# Altium PCB Kasli-DIOT.PCBDOC (part 17 of 21)
Units mm, origin at the board's own origin, x right, y up, seen from the top; angles counter-clockwise.
Board outline 222.34 x 100 mm, 10 copper layers (TopLayer, Layer 2, Layer 3, Layer 4, Layer 5, Layer 6, Layer 7, layer 8, Layer 9, BottomLayer), stack 1.564 mm thick; 974 components, 908 nets, 4662 pads, 2649 vias.
Unrouted connection lines stored in the file: 17.
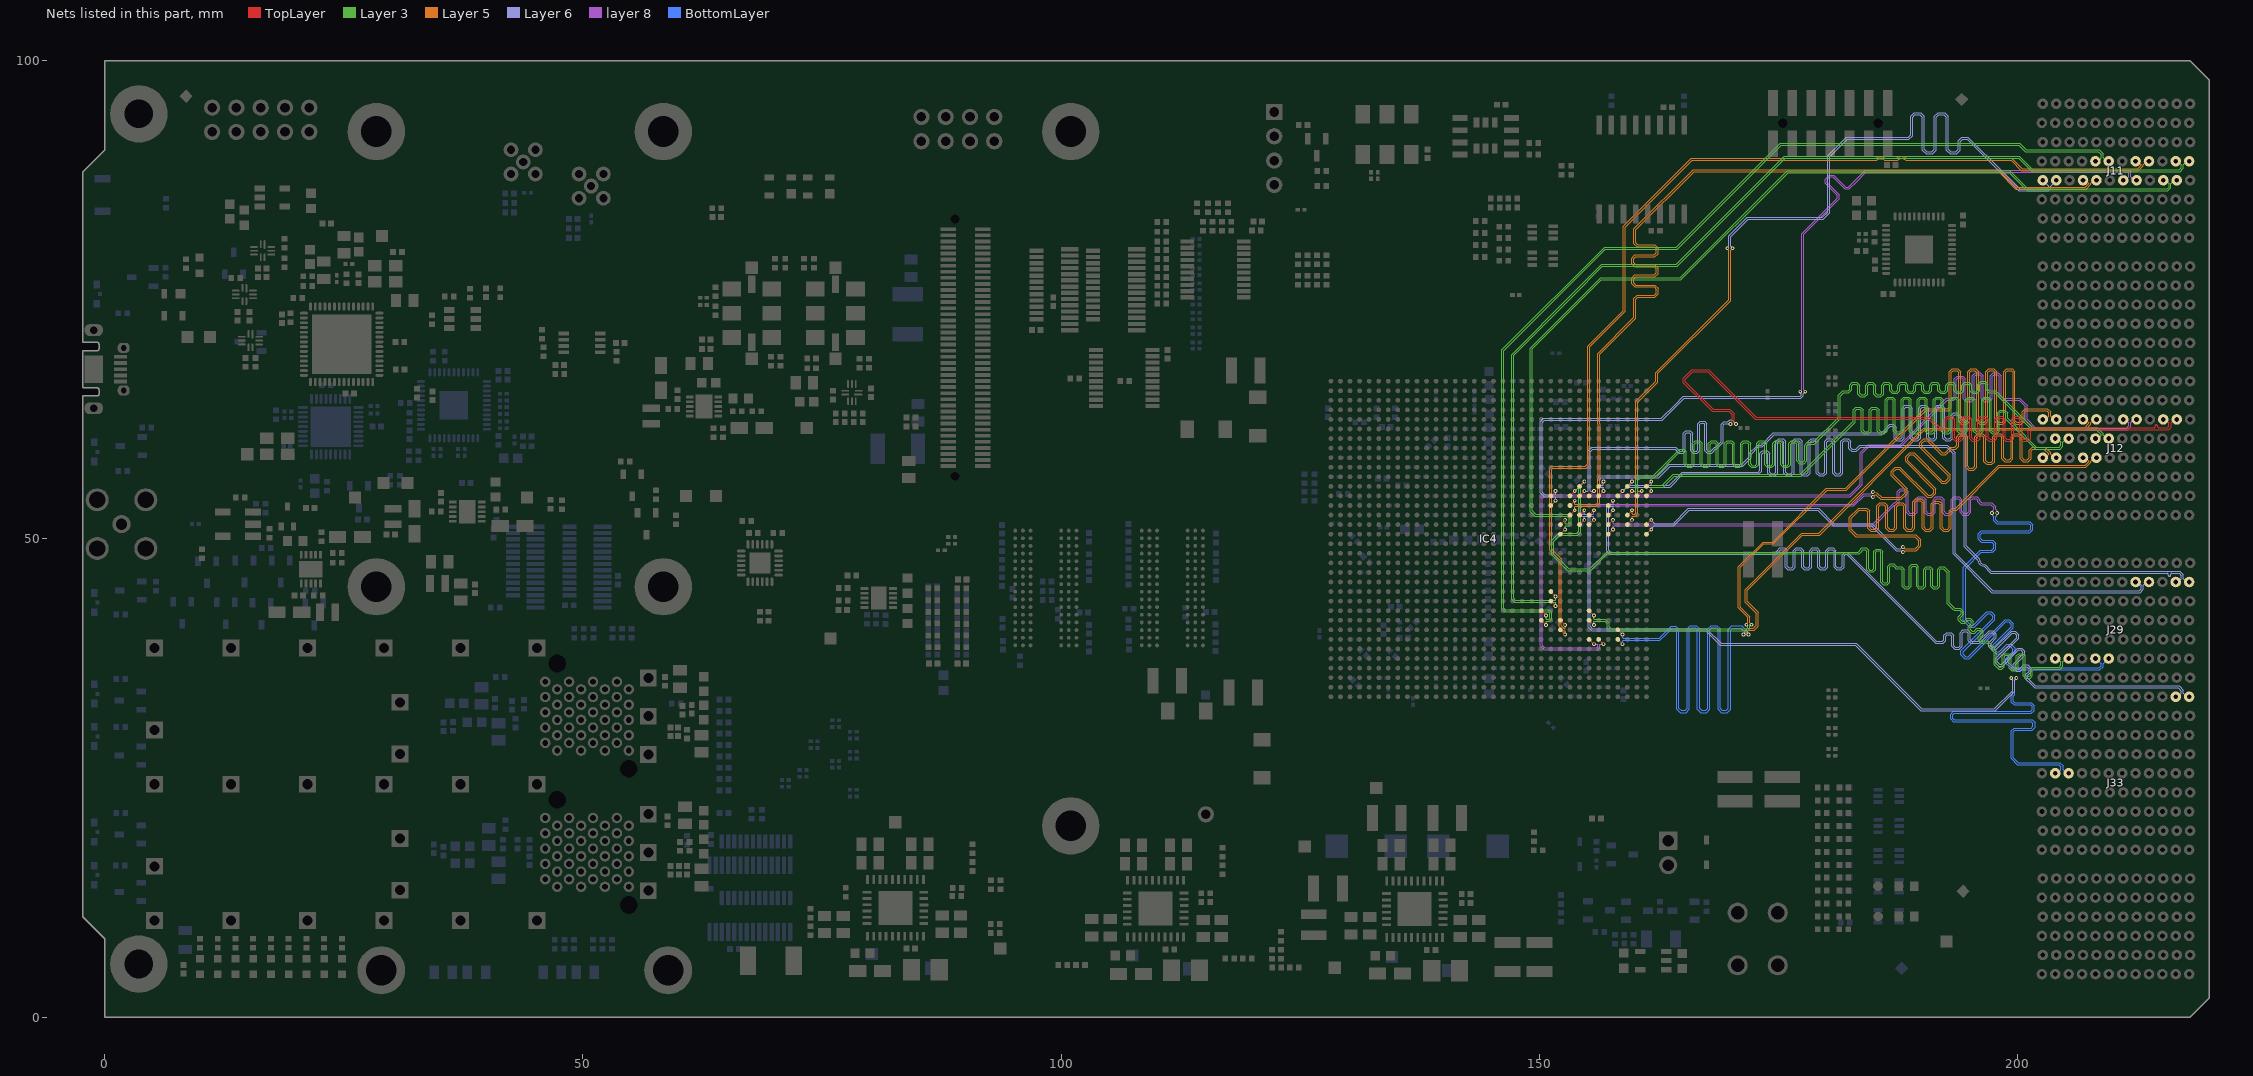
[diagram p25: the nets of this part, all layers, seen from the top]

## Via types
v1: diameter 0.4, hole 0.2, TopLayer to BottomLayer, tented both sides, 1661 vias
v2: diameter 0.5, hole 0.2, TopLayer to BottomLayer, tented both sides, 516 vias
v3: diameter 0.6, hole 0.3, TopLayer to BottomLayer, tented both sides, 175 vias
v4: diameter 0.6, hole 0.3, TopLayer to BottomLayer, 113 vias
v5: diameter 0.5, hole 0.2, TopLayer to BottomLayer, 110 vias
v6: diameter 0.4, hole 0.2, TopLayer to BottomLayer, 67 vias
v7: diameter 0.8, hole 0.5, TopLayer to BottomLayer, tented both sides, 7 vias

## Nets (pads, with @x,y where several pads share a name; then routed paths per layer and width w, separated by ;. In a path a pad name is that pad's centre, name@x,y a point inside that pad or via, vN(x,y) a via of type N, cw(c..) or ccw(c..) an arc to the next point about the centre after c; other vN are vias at no path point) (continued)
SLOT4.LVDS_9_N: IC4.T34 J12.I4 | length 94.1
  TopLayer w0.095: IC4.T34@161.2,51.5 v1(161.7,52)
  Layer 5 w0.08: v1(188,49.16) 188.04,49.16 188.2,49 189.307,49 189.658,49.35 189.658,49.836 189.247,50.247 183.087,50.247 182.413,50.921 182.413,52.261 183.384,53.232 183.925,53.232 184.219,53.232 184.526,52.925 184.526,51.21 184.711,51.024 185.082,51.024 185.268,51.21 185.268,53.46 185.574,53.767 186.117,53.767 186.424,53.46 186.424,51.21 186.609,51.024 186.98,51.024 187.166,51.21 187.166,53.46 187.472,53.767 188.015,53.767 188.322,53.46 188.322,51.21 188.507,51.024 188.878,51.024 189.064,51.21 189.064,53.914 189.37,54.221 189.913,54.221 190.22,53.914 190.22,51.21 190.405,51.024 190.776,51.024 190.962,51.21 190.962,53.656 191.268,53.963 191.811,53.963 192.118,53.656 192.118,51.21 192.303,51.024 192.674,51.024 192.86,51.21 192.86,52.925 193.166,53.232 193.353,53.232 193.539,53.232 198.016,57.709 207.061,57.709 207.435,58.083 207.435,58.149 207.084,58.5 J12.I4@206.839,58.5
  Layer 6 w0.08: v1(161.7,52) 161.7,51.913 161.881,51.733 161.881,51.726 162,51.607 163.978,51.607 165.578,53.207 179.194,53.207 180.794,51.607 184.778,51.607 187.385,49 187.793,49 187.953,49.16 v1(188,49.16)
SLOT4.LVDS_9_P: IC4.U34 J12.H4 | length 94.5
  TopLayer w0.095: IC4.U34@161.2,50.5 v1(161.7,51)
  Layer 5 w0.08: v1(188,48.633) 188.04,48.633 188.2,48.793 189.393,48.793 189.865,49.265 189.865,49.921 189.332,50.454 183.173,50.454 182.62,51.007 182.62,52.175 183.469,53.025 183.925,53.025 184.133,53.025 184.319,52.84 184.319,51.124 184.625,50.817 185.168,50.817 185.475,51.124 185.475,53.375 185.66,53.56 186.031,53.56 186.217,53.375 186.217,51.124 186.523,50.817 187.066,50.817 187.373,51.124 187.373,53.375 187.558,53.56 187.929,53.56 188.115,53.375 188.115,51.124 188.421,50.817 188.964,50.817 189.271,51.124 189.271,53.828 189.456,54.014 189.827,54.014 190.013,53.828 190.013,51.124 190.319,50.817 190.862,50.817 191.169,51.124 191.169,53.57 191.354,53.756 191.725,53.756 191.911,53.57 191.911,51.124 192.217,50.817 192.76,50.817 193.067,51.124 193.067,52.84 193.252,53.025 193.353,53.025 193.625,53.025 198.102,57.502 207.147,57.502 207.642,57.997 207.642,58.149 207.993,58.5 J12.H4@208.239,58.5
  Layer 6 w0.08: v1(161.7,51) 161.7,51.087 161.881,51.267 161.881,51.281 162,51.4 164.064,51.4 165.664,53 179.108,53 180.708,51.4 184.693,51.4 187.3,48.793 187.793,48.793 187.953,48.633 v1(188,48.633)
SLOT4.LVDS_10_N: IC4.R28 J12.L4 | length 99.9
  TopLayer w0.095: IC4.R28@155.2,52.5 v1(155.7,53)
  Layer 5 w0.08: v1(184.863,54.395) 185.113,54.625 185.179,54.625 185.71,54.147 187.847,54.147 188.347,54.647 188.479,54.779 188.479,55.248 187.008,56.718 187.008,57.016 187.306,57.314 187.604,57.314 190.575,54.342 191.044,54.342 191.463,54.761 191.463,55.231 188.492,58.202 188.492,58.499 188.789,58.797 189.087,58.797 192.058,55.826 192.527,55.826 192.946,56.245 192.946,56.714 189.975,59.685 189.975,59.983 190.273,60.281 190.571,60.281 192.041,58.81 192.51,58.81 193.1,59.4 193.331,59.4 193.518,59.4 193.824,59.707 193.824,60.621 194.01,60.806 194.381,60.806 194.566,60.621 194.566,57.499 194.873,57.192 195.416,57.192 195.722,57.499 195.722,60.621 195.908,60.806 196.279,60.806 196.464,60.621 196.464,58.097 196.771,57.79 197.314,57.79 197.62,58.097 197.62,60.621 197.806,60.806 198.177,60.806 198.362,60.621 198.362,58.395 198.669,58.089 199.212,58.089 199.518,58.395 199.518,60.621 199.704,60.806 200.075,60.806 200.26,60.621 200.26,58.395 200.567,58.089 201.11,58.089 201.416,58.395 201.416,59.215 201.602,59.4 201.808,59.4 202.753,59.4 203.235,58.918 203.235,58.851 202.884,58.5 J12.L4@202.639,58.5
  layer 8 w0.075: v1(155.7,53) 155.7,52.645 155.656,52.601 154.464,52.601 154.297,52.768 154.297,53.218 154.529,53.45 182.885,53.45 183.979,54.544 184.657,54.544 184.806,54.395 v1(184.863,54.395)
SLOT4.LVDS_10_P: IC4.T28 J12.K4 | length 100.8
  TopLayer w0.095: IC4.T28@155.2,51.5 v1(155.7,52)
  Layer 5 w0.08: v1(184.863,54.895) 185.265,54.832 185.796,54.354 185.862,54.354 187.761,54.354 188.2,54.793 188.272,54.864 188.272,55.162 186.801,56.632 186.801,57.102 187.22,57.521 187.689,57.521 190.66,54.549 190.958,54.549 191.256,54.847 191.256,55.145 188.285,58.116 188.285,58.585 188.704,59.004 189.173,59.004 192.144,56.033 192.442,56.033 192.739,56.331 192.739,56.628 189.768,59.599 189.768,60.069 190.187,60.488 190.656,60.488 192.127,59.017 192.424,59.017 192.954,59.546 193.014,59.607 193.331,59.607 193.432,59.607 193.617,59.793 193.617,60.706 193.924,61.013 194.467,61.013 194.773,60.706 194.773,57.585 194.959,57.399 195.33,57.399 195.515,57.585 195.515,60.706 195.822,61.013 196.365,61.013 196.671,60.706 196.671,58.182 196.857,57.997 197.228,57.997 197.413,58.182 197.413,60.706 197.72,61.013 198.263,61.013 198.569,60.706 198.569,58.481 198.755,58.296 199.126,58.296 199.311,58.481 199.311,60.706 199.618,61.013 200.161,61.013 200.467,60.706 200.467,58.481 200.653,58.296 201.024,58.296 201.209,58.481 201.209,59.3 201.516,59.607 201.808,59.607 202.839,59.607 203.442,59.003 203.442,58.851 203.793,58.5 J12.K4@204.039,58.5
  layer 8 w0.075: v1(155.7,52) 155.7,52.355 155.656,52.399 154.38,52.399 154.095,52.684 154.095,53.302 154.445,53.652 182.801,53.652 183.895,54.746 184.657,54.746 184.806,54.895 v1(184.863,54.895)
SLOT4.LVDS_11_N: IC4.T25 J11.C4 | length 99.9
  TopLayer w0.095: IC4.T25@152.2,51.5 v1(152.7,52)
  Layer 3 w0.075: v1(152.7,52) 152.7,51.645 152.744,51.601 153.005,51.601 153.134,51.729 153.134,52.151 152.884,52.4 149.53,52.4 149.272,52.658 149.07,52.86 149.07,69.966 156.403,77.3 164.714,77.3 175.916,88.502 199.198,88.502 200.17,87.53 200.7,87 201.1,86.6 215.643,86.6 215.838,86.795 215.838,87.139 215.477,87.5 J11.C4@215.239,87.5
SLOT4.LVDS_11_P: IC4.U25 J11.B4 | length 100.2
  TopLayer w0.095: IC4.U25@152.2,50.5 v1(152.7,51)
  Layer 3 w0.075: v1(152.7,51) 152.7,51.355 152.744,51.399 153.089,51.399 153.336,51.646 153.336,52.235 152.968,52.602 149.613,52.602 149.272,52.944 149.272,69.883 156.487,77.098 164.798,77.098 176,88.3 199.114,88.3 199.968,87.446 200.486,86.929 201.016,86.398 215.726,86.398 216.04,86.711 216.04,87.139 216.401,87.5 J11.B4@216.639,87.5
SLOT4.LVDS_12_N: IC4.N24 J11.F4 | length 97.3
  TopLayer w0.095: IC4.N24@151.2,54.5 v1(151.7,55)
  Layer 6 w0.08: v1(151.7,55) 151.7,54.65 151.653,54.604 150.577,54.604 150.274,54.907 150.274,62.174 150.5,62.4 162.85,62.4 164.2,63.75 165.15,64.7 177.345,64.7 177.607,64.962 177.607,65.18 177.8,65.373 v1(177.8,65.4)
  layer 8 w0.075: v1(177.8,65.4) 177.8,65.444 177.638,65.606 177.638,81.838 181.214,85.414 181.341,85.541 181.341,86.004 180.089,87.257 180.089,87.553 180.385,87.849 180.68,87.849 181.933,86.596 182.396,86.596 183.157,87.357 184.131,88.331 211.591,88.331 211.638,88.284 211.638,87.861 211.277,87.5 J11.F4@211.039,87.5
SLOT4.LVDS_12_P: IC4.P24 J11.E4 | length 98.3
  TopLayer w0.095: IC4.P24@151.2,53.5 v1(151.7,54)
  Layer 6 w0.08: v1(151.7,54) 151.7,54.35 151.653,54.397 150.492,54.397 150.067,54.821 150.067,62.26 150.414,62.607 162.764,62.607 164.2,64.043 165.064,64.907 177.259,64.907 177.4,65.048 177.4,65.193 177.273,65.32 v1(177.273,65.4)
  layer 8 w0.075: v1(177.273,65.4) 177.273,65.444 177.435,65.606 177.435,81.921 181.071,85.556 181.139,85.625 181.139,85.921 179.887,87.173 179.887,87.636 180.301,88.051 180.764,88.051 182.017,86.798 182.312,86.798 183.014,87.5 184.047,88.533 211.675,88.533 211.84,88.368 211.84,87.861 212.201,87.5 J11.E4@212.439,87.5
SLOT4.LVDS_13_N: IC4.P26 J11.I4 | length 98.5
  TopLayer w0.095: IC4.P26@153.2,53.5 v1(153.7,54)
  Layer 5 w0.08: v1(153.7,54) 153.7,53.65 153.747,53.604 155.904,53.604 156.1,53.8 156.1,56.093 156.093,56.1 156.088,61.97 156.088,65.624 156.093,65.629 156.093,69.361 156.116,69.384 159.893,73.161 159.893,73.738 159.893,75.172 160.225,75.503 161.99,75.503 162.201,75.714 162.201,76.135 161.99,76.345 159.977,76.345 159.645,76.677 159.645,77.27 159.977,77.601 161.99,77.601 162.201,77.812 162.201,78.233 161.99,78.443 159.977,78.443 159.645,78.775 159.645,79.368 159.977,79.699 161.99,79.699 162.201,79.91 162.201,80.331 161.99,80.541 160.225,80.541 159.893,80.873 159.893,81.06 159.893,82.418 166.082,88.607 197.922,88.607 198.093,88.607 199.917,86.783 207.069,86.783 207.435,87.149 207.435,87.215 207.388,87.262 207.353,87.262 207.115,87.5 J11.I4@206.839,87.5
SLOT4.LVDS_13_P: IC4.R26 J11.H4 | length 98.8
  TopLayer w0.095: IC4.R26@153.2,52.5 v1(153.7,53)
  Layer 5 w0.08: v1(153.7,53) 153.7,53.35 153.747,53.397 155.989,53.397 156.307,53.714 156.307,56.153 156.3,61.913 cw(c156.635,61.971) 156.3,62.029 156.3,69.275 156.323,69.298 160.1,73.075 160.1,73.738 160.1,75.086 160.31,75.296 162.076,75.296 162.408,75.628 162.408,76.221 162.076,76.552 160.062,76.552 159.852,76.763 159.852,77.184 160.062,77.394 162.076,77.394 162.408,77.726 162.408,78.319 162.076,78.65 160.062,78.65 159.852,78.861 159.852,79.282 160.062,79.492 162.076,79.492 162.408,79.824 162.408,80.417 162.076,80.748 160.31,80.748 160.1,80.959 160.1,81.06 160.1,82.332 166.168,88.4 198.007,88.4 199.831,86.576 207.155,86.576 207.642,87.063 207.642,87.215 207.689,87.262 207.725,87.262 207.963,87.5 J11.H4@208.239,87.5
SLOT4.LVDS_14_N: IC4.R32 J11.L4 | length 93.5
  TopLayer w0.095: IC4.R32@159.2,52.5 v1(159.7,53)
  Layer 5 w0.08: v1(159.7,53) 159.7,52.65 159.747,52.604 159.993,52.604 160.093,52.703 160.093,64.386 162.193,66.486 162.193,67.393 169.809,75.009 169.809,80.193 169.649,80.353 v1(169.649,80.4)
  Layer 6 w0.08: v1(169.649,80.4) 169.649,80.447 169.809,80.607 169.809,81.677 171.757,83.625 179.6,83.625 180.143,84.168 180.143,90.058 182.085,92 188.445,92 188.545,92 188.806,92.26 188.806,94.175 189.188,94.557 189.88,94.557 190.262,94.175 190.262,90.752 190.522,90.492 191.043,90.492 191.304,90.752 191.304,94.175 191.686,94.557 192.378,94.557 192.76,94.175 192.76,90.752 193.02,90.492 193.541,90.492 193.802,90.752 193.802,91.618 194.184,92 194.635,92 194.804,92 198.427,88.377 200.204,86.6 203.125,86.6 203.235,86.711 203.235,86.904 J11.L4@202.639,87.5
SLOT4.LVDS_14_P: IC4.T32 J11.K4 | length 93.8
  TopLayer w0.095: IC4.T32@159.2,51.5 v1(159.7,52)
  Layer 5 w0.08: v1(159.7,52) 159.7,52.35 159.747,52.397 160.079,52.397 160.3,52.618 160.3,64.3 162.4,66.4 162.4,67.307 170.016,74.924 170.016,80.193 170.176,80.353 v1(170.176,80.4)
  Layer 6 w0.08: v1(170.176,80.4) 170.176,80.447 170.016,80.607 170.016,81.591 171.843,83.418 179.686,83.418 180.35,84.082 180.35,89.972 182.171,91.793 188.445,91.793 188.631,91.793 189.013,92.175 189.013,94.089 189.273,94.35 189.794,94.35 190.055,94.089 190.055,90.667 190.437,90.285 191.129,90.285 191.511,90.667 191.511,94.089 191.771,94.35 192.292,94.35 192.553,94.089 192.553,90.667 192.935,90.285 193.627,90.285 194.009,90.667 194.009,91.533 194.269,91.793 194.635,91.793 194.718,91.793 200.118,86.393 203.21,86.393 203.442,86.625 203.442,86.904 J11.K4@204.039,87.5
SLOT4.LVDS_15_N: IC4.R27 J33.K5 | length 98.9
  TopLayer w0.095: IC4.R27@154.2,52.5 v1(154.7,53)
  Layer 6 w0.08: v1(154.7,53) 154.7,52.65 154.747,52.604 155.089,52.604 155.333,52.36 155.333,40.848 155.548,40.633 167.46,40.633 169.014,39.079 183.121,39.079 189.975,32.225 197.576,32.225 199.5,34.149 199.5,35.253 199.34,35.413 v1(199.34,35.472)
  BottomLayer w0.095: v1(199.34,35.472) 199.34,35.417 199.493,35.264 199.493,33.781 199.34,33.628 199.34,33.284 199.34,32.943 199.634,32.649 201.355,32.649 201.519,32.485 201.519,32.156 201.355,31.992 193.293,31.992 192.998,31.698 192.998,31.185 193.293,30.891 201.435,30.891 201.6,30.727 201.6,30.398 201.435,30.234 199.634,30.234 199.34,29.94 199.34,28.856 199.34,27.046 199.984,26.402 204.303,26.402 204.528,26.177 204.528,25.857 204.171,25.5 J33.K5@203.939,25.5
SLOT4.LVDS_15_P: IC4.T27 J33.J5 | length 99.2
  TopLayer w0.095: IC4.T27@154.2,51.5 v1(154.7,52)
  Layer 6 w0.08: v1(154.7,52) 154.7,52.35 154.747,52.397 155.004,52.397 155.126,52.274 155.126,40.762 155.462,40.426 167.374,40.426 168.928,38.872 183.035,38.872 189.889,32.018 197.662,32.018 199.707,34.063 199.707,35.253 199.867,35.413 v1(199.867,35.472)
  BottomLayer w0.095: v1(199.867,35.472) 199.867,35.417 199.715,35.264 199.715,33.689 199.562,33.537 199.562,33.284 199.562,33.035 199.726,32.871 201.447,32.871 201.741,32.577 201.741,32.064 201.447,31.77 193.385,31.77 193.22,31.606 193.22,31.277 193.385,31.113 201.527,31.113 201.822,30.819 201.822,30.306 201.527,30.012 199.726,30.012 199.562,29.848 199.562,28.856 199.562,27.138 200.076,26.624 204.395,26.624 204.75,26.269 204.75,25.857 205.107,25.5 J33.J5@205.339,25.5
SLOT5.LVDS_0_N: IC4.T30 J29.H3 | length 115.7
  TopLayer w0.095: IC4.T30@157.2,51.5 v1(157.7,52)
  layer 8 w0.075: v1(157.7,52) 157.7,51.645 157.744,51.601 184.915,51.601 187.114,53.8 187.128,53.8 187.225,53.8 187.409,53.984 187.409,54.927 187.712,55.23 188.247,55.23 188.55,54.927 188.55,52.876 188.734,52.692 189.103,52.692 189.287,52.876 189.287,54.12 189.59,54.423 190.125,54.423 190.428,54.12 190.428,52.876 190.612,52.692 190.981,52.692 191.165,52.876 191.165,54.12 191.468,54.423 192.003,54.423 192.306,54.12 192.306,52.876 192.49,52.692 192.859,52.692 193.043,52.876 193.043,54.12 193.346,54.423 193.881,54.423 194.184,54.12 194.184,52.876 194.368,52.692 194.737,52.692 194.921,52.876 194.921,54.12 195.224,54.423 195.759,54.423 196.062,54.12 196.062,53.984 196.246,53.8 196.47,53.8 197.284,53.8 197.702,53.382 197.702,53.096 197.875,52.923 197.875,52.711 v1(197.865,52.7)
  BottomLayer w0.095: v1(197.865,52.7) 197.865,52.658 197.88,52.643 197.882,52.643 cw(c197.338,52.7) 197.712,52.301 197.712,52.127 197.712,52.015 197.901,51.826 201.255,51.826 201.575,51.506 201.575,50.944 201.255,50.625 196.291,50.625 196.101,50.435 196.101,50.057 196.291,49.868 197.393,49.868 197.712,49.548 197.712,49.136 197.712,48.922 197.41,48.62 ccw(c197.419,48.073) 197.26,48.597 196.21,48.597 194.561,46.947 194.561,41.539 195.02,41.08 195.1,41 195.368,41 196.77,42.402 197.221,42.402 197.619,42.004 197.619,41.553 194.294,38.228 194.294,37.961 194.562,37.693 194.83,37.693 198.692,41.555 199.144,41.555 199.541,41.158 199.541,40.706 197.571,38.735 197.571,38.468 197.838,38.2 198.106,38.2 198.889,38.984 199.341,38.984 199.738,38.586 199.738,38.134 198.986,37.382 198.986,37.114 199.319,36.781 199.549,36.551 208.523,36.551 208.728,36.756 208.728,36.944 208.172,37.5 J29.H3@208.139,37.5
SLOT5.LVDS_0_P: IC4.U30 J29.G3 | length 116.1
  TopLayer w0.095: IC4.U30@157.2,50.5 v1(157.7,51)
  layer 8 w0.075: v1(157.7,51) 157.7,51.355 157.744,51.399 184.999,51.399 187.128,53.528 187.198,53.598 187.308,53.598 187.611,53.901 187.611,54.844 187.795,55.028 188.164,55.028 188.348,54.844 188.348,52.793 188.651,52.49 189.186,52.49 189.489,52.793 189.489,54.037 189.673,54.221 190.042,54.221 190.226,54.037 190.226,52.793 190.529,52.49 191.064,52.49 191.367,52.793 191.367,54.037 191.551,54.221 191.92,54.221 192.104,54.037 192.104,52.793 192.407,52.49 192.942,52.49 193.245,52.793 193.245,54.037 193.429,54.221 193.798,54.221 193.982,54.037 193.982,52.793 194.285,52.49 194.82,52.49 195.123,52.793 195.123,54.037 195.307,54.221 195.676,54.221 195.86,54.037 195.86,53.901 196.163,53.598 196.47,53.598 197.2,53.598 197.5,53.298 197.5,53.063 197.35,52.913 197.35,52.712 v1(197.338,52.7)
  BottomLayer w0.095: v1(197.338,52.7) 197.338,52.658 197.32,52.639 ccw(c197.865,52.7) 197.49,52.301 197.49,52.127 197.49,51.923 197.809,51.604 201.163,51.604 201.353,51.414 201.353,51.036 201.163,50.847 196.199,50.847 195.879,50.527 195.879,49.965 196.199,49.646 197.301,49.646 197.49,49.456 197.49,49.136 197.49,49.014 197.311,48.834 ccw(c197.419,48.073) 197.23,48.819 196.119,48.819 194.339,47.039 194.339,41.447 194.863,40.923 195.008,40.778 195.46,40.778 196.862,42.18 197.129,42.18 197.397,41.913 197.397,41.645 194.072,38.32 194.072,37.869 194.47,37.471 194.922,37.471 198.784,41.333 199.052,41.333 199.319,41.066 199.319,40.798 197.349,38.827 197.349,38.376 197.746,37.978 198.198,37.978 198.981,38.762 199.249,38.762 199.516,38.494 199.516,38.226 198.764,37.474 198.764,37.022 199.162,36.625 199.457,36.329 208.615,36.329 208.95,36.664 208.95,36.944 209.505,37.5 J29.G3@209.539,37.5
SLOT5.LVDS_1_N: IC4.M27 J29.K3 | length 104.8
  TopLayer w0.095: IC4.M27@154.2,55.5 v1(154.7,56)
  Layer 3 w0.075: v1(154.7,56) 154.316,55.616 154.316,50.697 153.989,50.37 152.128,50.37 151.517,49.76 151.517,48.408 152.79,47.135 153.056,46.869 155.266,46.869 157.032,48.635 182.614,48.635 183.345,48.635 183.479,48.77 183.479,48.82 183.732,49.073 184.168,49.073 184.42,48.82 184.42,46.889 184.555,46.755 184.823,46.755 184.957,46.889 184.957,48.692 185.21,48.945 185.646,48.945 185.898,48.692 185.898,45.543 186.033,45.409 186.301,45.409 186.435,45.543 186.435,47.17 186.688,47.422 187.045,47.422 187.142,47.326 187.361,47.106 187.608,47.106 187.906,47.106 188.159,46.853 188.159,45.132 188.293,44.998 188.562,44.998 188.696,45.132 188.696,47.078 188.949,47.331 189.384,47.331 189.637,47.078 189.637,45.132 189.771,44.998 190.04,44.998 190.174,45.132 190.174,46.853 190.427,47.106 190.862,47.106 191.115,46.853 191.115,45.132 191.249,44.998 191.518,44.998 191.652,45.132 191.652,46.853 191.905,47.106 192.085,47.106 192.314,47.106 192.869,46.551 192.869,43.327 193.385,42.811 193.453,42.742 193.643,42.742 193.658,42.757 194.015,42.757 194.323,42.449 194.323,42.092 194.02,41.788 194.02,41.598 194.21,41.409 194.4,41.409 194.703,41.712 195.06,41.712 195.368,41.404 195.368,41.047 195.065,40.743 195.065,40.553 195.255,40.364 195.445,40.364 195.748,40.667 196.105,40.667 196.414,40.359 196.414,40.002 196.11,39.698 196.11,39.508 196.3,39.318 196.49,39.318 196.505,39.333 196.862,39.333 197.094,39.101 197.163,39.033 197.625,38.57 197.625,38.371 197.787,38.209 197.787,37.965 cw(c197.05,37.9) 197.787,37.835 197.787,36.913 197.868,36.832 198.1,36.6 198.165,36.6 198.262,36.6 198.396,36.734 198.396,37.77 198.649,38.023 199.085,38.023 199.337,37.77 199.337,36.552 199.471,36.418 199.74,36.418 199.874,36.552 199.874,37.77 200.127,38.023 200.563,38.023 200.815,37.77 200.815,35.774 200.949,35.64 201.218,35.64 201.352,35.774 201.352,36.347 201.605,36.6 202.32,36.6 204.364,36.6 204.538,36.774 204.538,37.139 204.177,37.5 J29.K3@203.939,37.5
SLOT5.LVDS_1_P: IC4.N26 J29.J3 | length 105.1
  TopLayer w0.095: IC4.N26@153.2,54.5 v1(153.7,55)
  Layer 3 w0.075: v1(153.7,55) 154.008,55.308 154.07,55.308 154.114,55.264 154.114,50.781 153.906,50.572 152.044,50.572 151.315,49.844 151.315,48.324 152.648,46.992 152.972,46.667 155.35,46.667 157.116,48.433 182.614,48.433 183.429,48.433 183.681,48.686 183.681,48.737 183.816,48.871 184.084,48.871 184.218,48.737 184.218,46.805 184.471,46.553 184.907,46.553 185.159,46.805 185.159,48.609 185.294,48.743 185.562,48.743 185.696,48.609 185.696,45.459 185.949,45.207 186.385,45.207 186.637,45.459 186.637,47.086 186.772,47.22 186.961,47.22 187.142,47.04 187.278,46.904 187.608,46.904 187.823,46.904 187.957,46.77 187.957,45.049 188.21,44.796 188.645,44.796 188.898,45.049 188.898,46.995 189.032,47.129 189.301,47.129 189.435,46.995 189.435,45.049 189.688,44.796 190.123,44.796 190.376,45.049 190.376,46.77 190.51,46.904 190.779,46.904 190.913,46.77 190.913,45.049 191.166,44.796 191.601,44.796 191.854,45.049 191.854,46.77 191.988,46.904 192.085,46.904 192.23,46.904 192.667,46.467 192.667,43.243 193.242,42.668 193.31,42.599 193.369,42.54 193.727,42.54 193.742,42.555 193.931,42.555 194.121,42.365 194.121,42.175 193.818,41.872 193.818,41.515 194.126,41.207 194.483,41.207 194.787,41.51 194.977,41.51 195.166,41.32 195.166,41.13 194.863,40.827 194.863,40.47 195.171,40.161 195.528,40.161 195.832,40.465 196.022,40.465 196.212,40.275 196.212,40.085 195.908,39.782 195.908,39.425 196.216,39.116 196.573,39.116 196.588,39.131 196.778,39.131 196.951,38.958 197.02,38.89 197.423,38.486 197.423,38.287 197.585,38.126 197.585,37.955 cw(c197.05,37.9) 197.585,37.845 197.585,36.83 198.016,36.398 198.165,36.398 198.346,36.398 198.598,36.651 198.598,37.687 198.732,37.821 199.001,37.821 199.135,37.687 199.135,36.468 199.388,36.216 199.824,36.216 200.076,36.468 200.076,37.687 200.21,37.821 200.479,37.821 200.613,37.687 200.613,35.69 200.866,35.438 201.302,35.438 201.554,35.69 201.554,36.264 201.688,36.398 202.32,36.398 204.447,36.398 204.74,36.69 204.74,37.139 205.101,37.5 J29.J3@205.339,37.5
SLOT5.LVDS_2_N: IC4.P30 J29.B1 | length 106.4
  TopLayer w0.095: IC4.P30@157.2,53.5 v1(157.7,54)
  Layer 6 w0.08: v1(157.7,54) 157.7,53.65 157.653,53.604 157.362,53.604 157.067,53.309 157.067,48.74 157.414,48.393 171.774,48.393 174.788,48.393 175.07,48.675 175.07,48.696 175.23,48.856 175.551,48.856 175.712,48.696 175.712,47.057 175.994,46.776 176.486,46.776 176.768,47.057 176.768,48.696 176.928,48.856 177.249,48.856 177.41,48.696 177.41,47.057 177.692,46.776 178.184,46.776 178.466,47.057 178.466,48.696 178.626,48.856 178.947,48.856 179.108,48.696 179.108,47.057 179.39,46.776 179.882,46.776 180.164,47.057 180.164,48.696 180.324,48.856 180.645,48.856 180.806,48.696 180.806,47.057 181.088,46.776 181.58,46.776 181.862,47.057 181.862,48.233 182.022,48.393 182.114,48.393 182.123,48.384 191.428,39.079 192.03,39.079 192.216,39.079 192.498,39.361 192.498,39.832 192.658,39.993 192.979,39.993 193.14,39.832 193.14,38.762 193.422,38.48 193.914,38.48 194.196,38.762 194.196,40.126 194.356,40.287 194.677,40.287 194.838,40.126 194.838,39.361 195.12,39.079 195.446,39.079 195.639,39.079 195.988,39.079 197.111,40.202 197.338,40.202 197.565,39.975 197.565,39.748 196.965,39.147 196.965,38.749 197.313,38.401 197.711,38.401 199.455,40.145 199.682,40.145 199.909,39.918 199.909,39.691 197.679,37.46 197.679,37.062 198.027,36.714 198.426,36.714 200.103,38.391 200.33,38.391 200.557,38.164 200.557,37.937 199.535,36.915 199.535,36.517 199.883,36.169 200.282,36.169 200.754,36.641 200.981,36.641 201.208,36.414 201.208,36.187 200.813,35.792 200.813,35.394 200.919,35.288 201.075,35.132 201.146,35.061 201.776,34.431 216.804,34.431 217.135,34.1 217.135,34.003 217.135,33.851 216.784,33.5 J29.B1@216.539,33.5
SLOT5.LVDS_2_P: IC4.R30 J29.A1 | length 106
  TopLayer w0.095: IC4.R30@157.2,52.5 v1(157.7,53)
  Layer 6 w0.08: v1(157.7,53) 157.7,53.35 157.653,53.397 157.448,53.397 157.274,53.223 157.274,48.826 157.5,48.6 171.774,48.6 174.702,48.6 174.863,48.76 174.863,48.781 175.145,49.063 175.637,49.063 175.919,48.781 175.919,47.143 176.079,46.983 176.4,46.983 176.561,47.143 176.561,48.781 176.843,49.063 177.335,49.063 177.617,48.781 177.617,47.143 177.777,46.983 178.098,46.983 178.259,47.143 178.259,48.781 178.541,49.063 179.033,49.063 179.315,48.781 179.315,47.143 179.475,46.983 179.796,46.983 179.957,47.143 179.957,48.781 180.239,49.063 180.731,49.063 181.013,48.781 181.013,47.143 181.173,46.983 181.494,46.983 181.655,47.143 181.655,48.318 181.937,48.6 182.123,48.6 182.2,48.6 191.514,39.286 192.03,39.286 192.13,39.286 192.291,39.446 192.291,39.918 192.573,40.2 193.065,40.2 193.347,39.918 193.347,38.847 193.507,38.687 193.828,38.687 193.989,38.847 193.989,40.212 194.271,40.494 194.763,40.494 195.045,40.212 195.045,39.446 195.205,39.286 195.446,39.286 195.846,39.286 195.902,39.286 197.025,40.409 197.424,40.409 197.772,40.06 197.772,39.662 197.172,39.062 197.172,38.835 197.399,38.608 197.626,38.608 199.37,40.352 199.768,40.352 200.116,40.004 200.116,39.605 197.886,37.375 197.886,37.148 198.113,36.921 198.34,36.921 200.017,38.598 200.415,38.598 200.764,38.25 200.764,37.851 199.742,36.829 199.742,36.603 199.969,36.376 200.196,36.376 200.668,36.848 201.067,36.848 201.415,36.499 201.415,36.101 201.02,35.707 201.02,35.48 201.116,35.384 201.221,35.279 201.293,35.207 201.862,34.638 216.89,34.638 217.342,34.186 217.342,33.918 217.342,33.851 217.693,33.5 J29.A1@217.939,33.5
SLOT5.LVDS_3_N: IC4.M29 J29.B7 | length 104.6
  TopLayer w0.095: IC4.M29@156.2,55.5 v1(156.7,56)
  Layer 6 w0.08: v1(156.7,56) 156.7,55.65 156.653,55.604 156.401,55.604 156.3,55.704 156.3,56.229 156.471,56.4 162.461,56.4 163.675,57.614 171.255,57.614 172.14,58.499 172.14,58.86 172.897,59.617 173.306,59.617 174.564,60.875 185.818,60.875 186.034,61.092 186.709,61.766 186.936,61.766 187.096,61.605 187.096,60.551 187.378,60.27 187.87,60.27 188.152,60.551 188.152,63.6 188.313,63.76 188.634,63.76 188.794,63.6 188.794,60.551 189.076,60.27 189.568,60.27 189.85,60.551 189.85,63.6 190.011,63.76 190.332,63.76 190.492,63.6 190.492,60.551 190.774,60.27 191.266,60.27 191.548,60.551 191.548,63.6 191.709,63.76 192.03,63.76 192.19,63.6 192.19,60.551 192.472,60.27 192.964,60.27 193.246,60.551 193.246,62.849 193.407,63.009 193.634,63.009 193.82,62.823 194.413,62.229 194.413,60.5 194.413,49.204 195.792,47.825 ccw(c196.534,47.916) 196.444,47.174 197.218,46.4 215.384,46.4 215.654,46.4 cw(c215.654,46.285) 215.769,46.285 215.769,46.207 ccw(c215.884,46.207) 215.884,46.092 ccw(c215.884,46.207) 215.999,46.207 215.999,46.285 cw(c216.114,46.285) 216.114,46.4 216.618,46.4 216.893,46.4 217.135,46.158 217.135,45.851 216.784,45.5 J29.B7@216.539,45.5
SLOT5.LVDS_3_P: IC4.N29 J29.A7 | length 105.3
  TopLayer w0.095: IC4.N29@156.2,54.5 v1(156.7,55)
  Layer 6 w0.08: v1(156.7,55) 156.7,55.35 156.653,55.397 156.315,55.397 156.093,55.618 156.093,56.315 156.385,56.607 162.375,56.607 163.589,57.821 171.169,57.821 171.933,58.585 171.933,58.945 172.811,59.824 173.22,59.824 174.478,61.082 185.732,61.082 186.034,61.384 186.623,61.973 187.021,61.973 187.303,61.691 187.303,60.637 187.464,60.477 187.785,60.477 187.945,60.637 187.945,63.686 188.227,63.967 188.719,63.967 189.001,63.686 189.001,60.637 189.162,60.477 189.483,60.477 189.643,60.637 189.643,63.686 189.925,63.967 190.417,63.967 190.699,63.686 190.699,60.637 190.86,60.477 191.181,60.477 191.341,60.637 191.341,63.686 191.623,63.967 192.115,63.967 192.397,63.686 192.397,60.637 192.558,60.477 192.879,60.477 193.039,60.637 193.039,62.934 193.321,63.216 193.719,63.216 193.82,63.115 194.62,62.315 194.62,60.414 194.62,49.29 195.994,47.917 ccw(c196.534,47.916) 196.535,47.376 196.609,47.302 197.219,46.691 197.304,46.607 216.979,46.607 217.342,46.244 217.342,45.851 217.694,45.5 J29.A7@217.939,45.5
SLOT5.LVDS_4_N: IC4.M32 J29.E7 | length 104.8
  TopLayer w0.095: IC4.M32@159.2,55.5 v1(159.7,56)
  Layer 6 w0.08: v1(159.7,56) 159.446,55.746 159.446,55.68 159.493,55.633 163.589,55.633 164.956,57 172.767,57 172.868,57 173.028,57.16 173.028,58.955 173.31,59.237 173.803,59.237 174.084,58.955 174.084,56.978 174.245,56.818 174.566,56.818 174.726,56.978 174.726,60.213 175.008,60.495 175.501,60.495 175.782,60.213 175.782,56.978 175.943,56.818 176.264,56.818 176.424,56.978 176.424,60.213 176.706,60.495 177.199,60.495 177.48,60.213 177.48,56.978 177.641,56.818 177.962,56.818 178.122,56.978 178.122,60.213 178.404,60.495 178.897,60.495 179.178,60.213 179.178,56.978 179.339,56.818 179.66,56.818 179.82,56.978 179.82,60.213 180.102,60.495 180.595,60.495 180.876,60.213 180.876,56.978 181.037,56.818 181.358,56.818 181.518,56.978 181.518,60.213 181.8,60.495 182.293,60.495 182.574,60.213 182.574,59.527 182.735,59.366 183.056,59.366 183.216,59.527 183.216,59.532 183.498,59.814 184.489,59.814 192.659,59.814 193.457,59.015 193.457,48.53 197.387,44.6 212.722,44.6 212.935,44.813 212.935,45.149 212.584,45.5 J29.E7@212.339,45.5
SLOT5.LVDS_4_P: IC4.N31 J29.D7 | length 105.6
  TopLayer w0.095: IC4.N31@158.2,54.5 v1(158.7,55)
  Layer 6 w0.08: v1(158.7,55) 159.126,55.426 163.675,55.426 165.042,56.793 172.767,56.793 172.954,56.793 173.235,57.075 173.235,58.869 173.396,59.03 173.717,59.03 173.877,58.869 173.877,56.893 174.159,56.611 174.652,56.611 174.933,56.893 174.933,60.127 175.094,60.288 175.415,60.288 175.575,60.127 175.575,56.893 175.857,56.611 176.35,56.611 176.631,56.893 176.631,60.127 176.792,60.288 177.113,60.288 177.273,60.127 177.273,56.893 177.555,56.611 178.048,56.611 178.329,56.893 178.329,60.127 178.49,60.288 178.811,60.288 178.971,60.127 178.971,56.893 179.253,56.611 179.746,56.611 180.027,56.893 180.027,60.127 180.188,60.288 180.509,60.288 180.669,60.127 180.669,56.893 180.951,56.611 181.444,56.611 181.725,56.893 181.725,60.127 181.886,60.288 182.207,60.288 182.367,60.127 182.367,59.441 182.649,59.159 183.142,59.159 183.423,59.441 183.423,59.447 183.584,59.607 184.489,59.607 192.573,59.607 193.25,58.93 193.25,48.444 197.302,44.393 212.808,44.393 213.142,44.727 213.142,45.149 213.493,45.5 J29.D7@213.739,45.5
SLOT5.LVDS_5_N: IC4.N33 J12.H5 | length 107.7
  TopLayer w0.095: IC4.N33@160.2,54.5 v1(160.7,55)
  Layer 3 w0.075: v1(160.7,55) 160.345,55 160.301,55.044 160.301,56.116 160.585,56.4 161.14,56.4 161.142,56.398 161.998,56.398 164.593,58.993 164.776,59.176 165.001,59.176 165.16,59.016 165.16,57.754 165.438,57.477 165.923,57.477 166.201,57.754 166.201,59.912 166.36,60.071 166.679,60.071 166.838,59.912 166.838,57.754 167.116,57.477 167.601,57.477 167.879,57.754 167.879,59.912 168.038,60.071 168.357,60.071 168.516,59.912 168.516,57.754 168.794,57.477 169.279,57.477 169.557,57.754 169.557,59.912 169.716,60.071 170.035,60.071 170.194,59.912 170.194,57.754 170.472,57.477 170.957,57.477 171.235,57.754 171.235,59.912 171.394,60.071 171.713,60.071 171.872,59.912 171.872,57.754 172.15,57.477 172.636,57.477 172.913,57.754 172.913,59.912 173.072,60.071 173.391,60.071 173.55,59.912 173.55,57.754 173.828,57.477 174.314,57.477 174.591,57.754 174.591,59.912 174.75,60.071 175.069,60.071 175.228,59.912 175.228,57.754 175.506,57.477 175.992,57.477 176.269,57.754 176.269,59.912 176.428,60.071 176.747,60.071 176.906,59.912 176.906,58.162 177.184,57.884 177.67,57.884 177.947,58.162 177.947,59.739 178.106,59.898 178.203,59.898 178.736,59.898 181.433,62.595 181.433,64.933 181.803,65.302 182.178,65.302 182.359,65.302 182.636,65.58 182.636,66.009 182.796,66.168 183.114,66.168 183.273,66.009 183.273,65.139 183.551,64.861 184.037,64.861 184.314,65.139 184.314,66.009 184.474,66.168 184.792,66.168 184.951,66.009 184.951,65.143 185.229,64.866 185.715,64.866 185.992,65.143 185.992,66.009 186.152,66.168 186.47,66.168 186.629,66.009 186.629,65.492 186.907,65.214 187.393,65.214 187.67,65.492 187.67,66.009 187.83,66.168 188.148,66.168 188.307,66.009 188.307,65.492 188.585,65.214 189.071,65.214 189.348,65.492 189.348,66.009 189.508,66.168 189.826,66.168 189.985,66.009 189.985,65.492 190.263,65.214 190.749,65.214 191.026,65.492 191.026,66.009 191.186,66.168 191.504,66.168 191.663,66.009 191.663,65.492 191.941,65.214 192.427,65.214 192.704,65.492 192.704,66.009 192.864,66.168 193.182,66.168 193.341,66.009 193.341,65.492 193.619,65.214 194.105,65.214 194.382,65.492 194.382,66.009 194.542,66.168 194.86,66.168 195.019,66.009 195.019,65.492 195.297,65.214 195.783,65.214 196.06,65.492 196.06,66.114 196.22,66.273 196.538,66.273 196.697,66.114 196.697,65.58 196.975,65.302 197.598,65.302 197.974,64.926 201.5,61.4 208.249,61.4 208.738,60.911 208.738,60.849 208.388,60.5 J12.H5@208.139,60.5
SLOT5.LVDS_5_P: IC4.N32 J12.G5 | length 108.3
  TopLayer w0.095: IC4.N32@159.2,54.5 v1(159.7,55)
  Layer 3 w0.075: v1(159.7,55) 160.055,55 160.099,55.044 160.099,56.2 160.501,56.602 161.224,56.602 161.226,56.6 161.914,56.6 164.593,59.279 164.692,59.378 165.084,59.378 165.362,59.1 165.362,57.838 165.521,57.679 165.84,57.679 165.999,57.838 165.999,59.995 166.277,60.273 166.762,60.273 167.04,59.995 167.04,57.838 167.199,57.679 167.518,57.679 167.677,57.838 167.677,59.995 167.955,60.273 168.44,60.273 168.718,59.995 168.718,57.838 168.877,57.679 169.196,57.679 169.355,57.838 169.355,59.995 169.633,60.273 170.118,60.273 170.396,59.995 170.396,57.838 170.555,57.679 170.874,57.679 171.033,57.838 171.033,59.995 171.311,60.273 171.796,60.273 172.074,59.995 172.074,57.838 172.233,57.679 172.552,57.679 172.711,57.838 172.711,59.995 172.989,60.273 173.475,60.273 173.752,59.995 173.752,57.838 173.911,57.679 174.23,57.679 174.389,57.838 174.389,59.995 174.667,60.273 175.153,60.273 175.43,59.995 175.43,57.838 175.589,57.679 175.908,57.679 176.067,57.838 176.067,59.995 176.345,60.273 176.831,60.273 177.108,59.995 177.108,58.246 177.267,58.086 177.586,58.086 177.745,58.246 177.745,59.822 178.023,60.1 178.203,60.1 178.653,60.1 181.231,62.679 181.231,65.016 181.719,65.504 182.178,65.504 182.275,65.504 182.434,65.663 182.434,66.092 182.712,66.37 183.198,66.37 183.475,66.092 183.475,65.222 183.635,65.063 183.953,65.063 184.112,65.222 184.112,66.092 184.39,66.37 184.876,66.37 185.153,66.092 185.153,65.227 185.313,65.068 185.631,65.068 185.79,65.227 185.79,66.092 186.068,66.37 186.554,66.37 186.831,66.092 186.831,65.575 186.991,65.416 187.309,65.416 187.468,65.575 187.468,66.092 187.746,66.37 188.232,66.37 188.509,66.092 188.509,65.575 188.669,65.416 188.987,65.416 189.146,65.575 189.146,66.092 189.424,66.37 189.91,66.37 190.187,66.092 190.187,65.575 190.347,65.416 190.665,65.416 190.824,65.575 190.824,66.092 191.102,66.37 191.588,66.37 191.865,66.092 191.865,65.575 192.025,65.416 192.343,65.416 192.502,65.575 192.502,66.092 192.78,66.37 193.266,66.37 193.543,66.092 193.543,65.575 193.703,65.416 194.021,65.416 194.18,65.575 194.18,66.092 194.458,66.37 194.944,66.37 195.221,66.092 195.221,65.575 195.381,65.416 195.699,65.416 195.858,65.575 195.858,66.197 196.136,66.475 196.622,66.475 196.899,66.197 196.899,65.663 197.059,65.504 197.682,65.504 197.974,65.212 201.584,61.602 208.333,61.602 208.94,60.995 208.94,60.849 209.289,60.5 J12.G5@209.539,60.5
SLOT5.LVDS_6_N: IC4.M34 J12.K5 | length 107.7
  TopLayer w0.095: IC4.M34@161.2,55.5 v1(161.7,56)
  Layer 3 w0.075: v1(161.7,56) 161.7,55.645 161.744,55.601 162.858,55.601 164.009,56.753 177.287,56.753 182.766,62.232 182.803,62.269 182.803,63.509 183.081,63.786 183.567,63.786 183.844,63.509 183.844,61.346 184.003,61.187 184.322,61.187 184.481,61.346 184.481,63.485 184.759,63.763 185.245,63.763 185.522,63.485 185.522,61.346 185.681,61.187 186,61.187 186.159,61.346 186.159,64.561 186.437,64.839 186.923,64.839 187.2,64.561 187.2,61.346 187.359,61.187 187.678,61.187 187.837,61.346 187.837,64.561 188.115,64.839 188.601,64.839 188.878,64.561 188.878,61.346 189.037,61.187 189.356,61.187 189.515,61.346 189.515,64.561 189.793,64.839 190.279,64.839 190.556,64.561 190.556,61.346 190.715,61.187 191.034,61.187 191.193,61.346 191.193,64.561 191.471,64.839 191.957,64.839 192.234,64.561 192.234,61.346 192.393,61.187 192.712,61.187 192.871,61.346 192.871,64.561 193.149,64.839 193.635,64.839 193.912,64.561 193.912,61.346 194.071,61.187 194.39,61.187 194.549,61.346 194.549,64.561 194.827,64.839 195.313,64.839 195.59,64.561 195.59,61.346 195.749,61.187 196.068,61.187 196.227,61.346 196.227,64.561 196.505,64.839 196.991,64.839 197.268,64.561 197.268,61.346 197.427,61.187 197.746,61.187 197.905,61.346 197.905,63.205 198.183,63.483 198.669,63.483 198.946,63.205 198.946,62.621 199.682,61.885 201.967,59.6 204.358,59.6 204.538,59.78 204.538,60.118 cw(c205.339,60.5) 204.513,60.176 204.188,60.5 J12.K5@203.939,60.5
SLOT5.LVDS_6_P: IC4.N34 J12.J5 | length 108.1
  TopLayer w0.095: IC4.N34@161.2,54.5 v1(161.7,55)
  Layer 3 w0.075: v1(161.7,55) 161.7,55.355 161.744,55.399 162.941,55.399 164.093,56.551 177.37,56.551 182.766,61.946 183.005,62.186 183.005,63.425 183.164,63.584 183.483,63.584 183.642,63.425 183.642,61.263 183.92,60.985 184.406,60.985 184.683,61.263 184.683,63.401 184.842,63.561 185.161,63.561 185.32,63.401 185.32,61.263 185.598,60.985 186.084,60.985 186.361,61.263 186.361,64.478 186.52,64.637 186.839,64.637 186.998,64.478 186.998,61.263 187.276,60.985 187.762,60.985 188.039,61.263 188.039,64.478 188.198,64.637 188.517,64.637 188.676,64.478 188.676,61.263 188.954,60.985 189.44,60.985 189.717,61.263 189.717,64.478 189.876,64.637 190.195,64.637 190.354,64.478 190.354,61.263 190.632,60.985 191.118,60.985 191.395,61.263 191.395,64.478 191.554,64.637 191.873,64.637 192.032,64.478 192.032,61.263 192.31,60.985 192.796,60.985 193.073,61.263 193.073,64.478 193.232,64.637 193.551,64.637 193.71,64.478 193.71,61.263 193.988,60.985 194.474,60.985 194.751,61.263 194.751,64.478 194.91,64.637 195.229,64.637 195.388,64.478 195.388,61.263 195.666,60.985 196.152,60.985 196.429,61.263 196.429,64.478 196.588,64.637 196.907,64.637 197.066,64.478 197.066,61.263 197.344,60.985 197.83,60.985 198.107,61.263 198.107,63.122 198.266,63.281 198.585,63.281 198.744,63.122 198.744,62.537 199.682,61.599 201.883,59.398 204.442,59.398 204.74,59.696 204.74,60.118 ccw(c203.939,60.5) 204.765,60.176 205.089,60.5 J12.J5@205.339,60.5
SLOT5.LVDS_7_N: IC4.N28 J12.C6 | length 116.5
  TopLayer w0.095: IC4.N28@155.2,54.5 v1(155.7,55) ; v1(169.986,62.027) 169.986,62.064 170.164,62.242 170.164,63 169.821,63.343 168.067,63.343 167.711,63.699 167.429,63.982 165.053,66.357 165.053,66.815 165.931,67.694 167.687,67.694 169.356,66.025 172.659,62.722 190.785,62.722 191.742,61.765 191.878,61.629 192.064,61.629 192.176,61.629 192.34,61.793 192.34,62.542 192.635,62.837 193.147,62.837 193.441,62.542 193.441,60.585 193.606,60.421 193.934,60.421 194.098,60.585 194.098,62.542 194.393,62.837 194.905,62.837 195.199,62.542 195.199,60.585 195.364,60.421 195.692,60.421 195.856,60.585 195.856,62.542 196.151,62.837 196.663,62.837 196.957,62.542 196.957,60.585 197.122,60.421 197.45,60.421 197.614,60.585 197.614,62.542 197.909,62.837 198.421,62.837 198.715,62.542 198.715,60.585 198.88,60.421 199.208,60.421 199.372,60.585 199.372,62.542 199.667,62.837 200.179,62.837 200.473,62.542 200.473,60.585 200.638,60.421 200.966,60.421 201.13,60.585 201.13,61.334 201.425,61.629 201.9,61.629 214.222,61.629 214.269,61.629 ccw(c214.269,61.751) 214.392,61.751 214.392,61.814 cw(c214.514,61.814) 214.514,61.937 cw(c214.514,61.814) 214.637,61.814 214.637,61.751 ccw(c214.759,61.751) 214.759,61.629 215.139,61.629 215.692,61.629 215.828,61.765 215.828,62.143 215.471,62.5 J12.C6@215.239,62.5
  Layer 6 w0.08: v1(155.7,55) 155.35,55 155.304,55.047 155.304,59.123 155.581,59.4 163.334,59.4 164.183,59.4 164.319,59.265 164.319,59.24 164.575,58.984 165.018,58.984 165.275,59.24 165.275,60.959 165.41,61.094 165.681,61.094 165.817,60.959 165.817,59.24 166.073,58.984 166.516,58.984 166.773,59.24 166.773,61.972 166.908,62.108 167.179,62.108 167.315,61.972 167.315,59.24 167.571,58.984 168.014,58.984 168.271,59.24 168.271,59.265 168.406,59.4 168.512,59.4 168.794,59.682 169.207,60.095 169.207,61.916 169.341,62.05 169.963,62.05 v1(169.986,62.027)
SLOT5.LVDS_7_P: IC4.N27 J12.B6 | length 117.2
  TopLayer w0.095: IC4.N27@154.2,54.5 v1(154.7,55) ; v1(170.55,62.027) 170.55,62.064 170.386,62.228 170.386,63.092 169.913,63.565 168.159,63.565 168.025,63.699 165.275,66.449 165.275,66.724 166.023,67.472 167.596,67.472 169.264,65.803 172.567,62.5 190.693,62.5 191.428,61.765 191.585,61.608 191.786,61.407 192.064,61.407 192.268,61.407 192.562,61.701 192.562,62.45 192.727,62.615 193.055,62.615 193.219,62.45 193.219,60.493 193.514,60.199 194.026,60.199 194.32,60.493 194.32,62.45 194.485,62.615 194.813,62.615 194.977,62.45 194.977,60.493 195.272,60.199 195.784,60.199 196.078,60.493 196.078,62.45 196.243,62.615 196.571,62.615 196.735,62.45 196.735,60.493 197.03,60.199 197.542,60.199 197.836,60.493 197.836,62.45 198.001,62.615 198.329,62.615 198.493,62.45 198.493,60.493 198.788,60.199 199.3,60.199 199.594,60.493 199.594,62.45 199.759,62.615 200.087,62.615 200.251,62.45 200.251,60.493 200.546,60.199 201.058,60.199 201.352,60.493 201.352,61.242 201.517,61.407 201.9,61.407 215.784,61.407 216.05,61.673 216.05,62.143 216.407,62.5 J12.B6@216.639,62.5
  Layer 6 w0.08: v1(154.7,55) 155.05,55 155.097,55.047 155.097,59.208 155.495,59.607 163.334,59.607 164.269,59.607 164.526,59.35 164.526,59.326 164.661,59.191 164.932,59.191 165.068,59.326 165.068,61.044 165.324,61.301 165.767,61.301 166.024,61.044 166.024,59.326 166.159,59.191 166.43,59.191 166.566,59.326 166.566,62.058 166.822,62.315 167.265,62.315 167.522,62.058 167.522,59.326 167.657,59.191 167.928,59.191 168.064,59.326 168.064,59.35 168.32,59.607 168.426,59.607 168.794,59.975 169,60.181 169,62.002 169.255,62.257 169.697,62.257 cw(c169.984,62.028) 169.984,62.395 cw(c169.984,61.876) 170.251,62.322 v1@170.545,62.027
SLOT5.LVDS_8_N: IC4.AH29 J12.F6 | length 108.7
  TopLayer w0.095: IC4.AH29@156.2,39.5 v1(156.7,39)
  layer 8 w0.075: v1(156.7,39) 156.345,39 156.301,38.956 156.301,38.616 156.083,38.398 150.501,38.398 150.442,38.457 150.098,38.801 150.098,54.284 150.414,54.6 182.426,54.6 183.557,55.731 183.557,59.024 184.407,59.874 187.733,59.874 192.56,64.701 193.122,64.701 193.219,64.701 193.403,64.886 193.403,66.731 193.705,67.033 194.241,67.033 194.544,66.731 194.544,64.751 194.728,64.567 195.097,64.567 195.281,64.751 195.281,67.08 195.583,67.383 196.119,67.383 196.422,67.08 196.422,64.751 196.606,64.567 196.975,64.567 197.159,64.751 197.159,67.08 197.461,67.383 197.997,67.383 198.3,67.08 198.3,64.886 198.484,64.701 198.675,64.701 200.242,64.701 200.563,64.38 200.635,64.309 200.988,63.956 200.988,62.512 201.9,61.6 211.425,61.6 211.638,61.813 211.638,62.151 211.288,62.5 J12.F6@211.039,62.5
SLOT5.LVDS_8_P: IC4.AH28 J12.E6 | length 108
  TopLayer w0.095: IC4.AH28@155.2,39.5 v1(155.7,39)
  layer 8 w0.075: v1(155.7,39) 156.055,39 156.099,38.956 156.099,38.7 155.999,38.6 150.585,38.6 150.3,38.885 150.3,54.2 150.498,54.398 182.51,54.398 183.759,55.647 183.759,58.94 184.491,59.672 187.817,59.672 192.644,64.499 193.122,64.499 193.302,64.499 193.605,64.802 193.605,66.647 193.789,66.831 194.158,66.831 194.342,66.647 194.342,64.667 194.644,64.365 195.18,64.365 195.483,64.667 195.483,66.996 195.667,67.181 196.036,67.181 196.22,66.996 196.22,64.667 196.522,64.365 197.058,64.365 197.361,64.667 197.361,66.996 197.545,67.181 197.914,67.181 198.098,66.996 198.098,64.802 198.4,64.499 198.675,64.499 200.158,64.499 200.786,63.872 200.786,62.429 201.816,61.398 211.509,61.398 211.84,61.729 211.84,62.151 212.189,62.5 J12.E6@212.439,62.5
SLOT5.LVDS_9_N: IC4.AH31 J12.I6 | length 116.1
  TopLayer w0.095: IC4.AH31@158.2,39.5 v1(158.7,39)
  Layer 5 w0.08: v1(171.348,40.014) 171.348,40.061 171.508,40.221 171.508,40.392 171.783,40.667 172.375,40.667 172.667,40.96 172.667,42.24 171.524,43.383 171.524,44.712 177.412,50.6 179.207,50.6 190.207,61.6 206.953,61.6 207.435,62.083 207.435,62.149 207.084,62.5 J12.I6@206.839,62.5
  BottomLayer w0.095: v1(158.7,39) 158.7,39.333 158.756,39.389 162.603,39.389 163.247,40.033 163.857,40.643 164.16,40.643 164.374,40.428 164.374,32.19 164.718,31.845 165.331,31.845 165.675,32.19 165.675,40.505 165.889,40.719 166.318,40.719 166.532,40.505 166.532,32.19 166.876,31.845 167.489,31.845 167.833,32.19 167.833,40.505 168.047,40.719 168.476,40.719 168.69,40.505 168.69,32.19 169.034,31.845 169.647,31.845 169.991,32.19 169.991,40.464 170.205,40.678 170.328,40.678 171.073,40.678 171.5,40.251 171.5,40 171.361,40 v1(171.348,40.014)
SLOT5.LVDS_9_P: IC4.AG31 J12.H6 | length 116.5
  TopLayer w0.095: IC4.AG31@158.2,40.5 v1(158.7,40)
  Layer 5 w0.08: v1(171.875,40.014) 171.875,40.061 171.715,40.221 171.715,40.307 171.868,40.46 172.46,40.46 172.874,40.874 172.874,42.326 171.731,43.469 171.731,44.626 177.498,50.393 179.293,50.393 190.293,61.393 207.038,61.393 207.642,61.997 207.642,62.149 207.993,62.5 J12.H6@208.239,62.5
  BottomLayer w0.095: v1(158.7,40) 158.7,39.667 158.756,39.611 162.511,39.611 163.247,40.347 163.765,40.865 164.252,40.865 164.596,40.52 164.596,32.282 164.81,32.067 165.239,32.067 165.453,32.282 165.453,40.597 165.797,40.941 166.41,40.941 166.754,40.597 166.754,32.282 166.968,32.067 167.397,32.067 167.611,32.282 167.611,40.597 167.955,40.941 168.568,40.941 168.912,40.597 168.912,32.282 169.126,32.067 169.555,32.067 169.769,32.282 169.769,40.556 170.113,40.9 170.328,40.9 171.165,40.9 171.722,40.343 171.722,40 171.861,40 v1(171.875,40.014)
SLOT5.LVDS_10_N: IC4.AF28 J12.L6 | length 107.6
  TopLayer w0.095: IC4.AF28@155.2,41.5 v1(155.7,41)
  Layer 3 w0.075: v1(155.7,41) 155.7,41.355 155.744,41.399 156.816,41.399 157.1,41.115 157.1,40.716 157.418,40.398 171.784,40.398 172.002,40.616 172.002,40.9 172.136,41.034 v1(172.165,41.034)
  Layer 5 w0.08: v1(172.165,41.034) 172.165,41.081 172.005,41.241 172.005,41.888 171.01,42.882 171.01,47.018 173.468,49.475 174.475,49.475 180.1,55.1 182.1,55.1 190.4,63.4 192.592,63.4 192.779,63.4 193.086,63.707 193.086,67.413 193.271,67.598 193.642,67.598 193.828,67.413 193.828,62.287 194.134,61.98 194.677,61.98 194.984,62.287 194.984,67.413 195.169,67.598 195.54,67.598 195.726,67.413 195.726,62.287 196.032,61.98 196.575,61.98 196.882,62.287 196.882,67.413 197.067,67.598 197.438,67.598 197.624,67.413 197.624,62.287 197.93,61.98 198.473,61.98 198.78,62.287 198.78,67.413 198.965,67.598 199.336,67.598 199.522,67.413 199.522,62.287 199.828,61.98 200.371,61.98 200.678,62.287 200.678,63.215 200.863,63.4 201.286,63.4 203.041,63.4 203.235,63.206 203.235,62.851 202.884,62.5 J12.L6@202.639,62.5
SLOT5.LVDS_10_P: IC4.AE28 J12.K6 | length 108
  TopLayer w0.095: IC4.AE28@155.2,42.5 v1(155.7,42)
  Layer 3 w0.075: v1(155.7,42) 155.7,41.645 155.744,41.601 156.9,41.601 157.302,41.199 157.302,40.8 157.502,40.6 171.7,40.6 171.8,40.7 171.8,40.9 171.666,41.034 v1(171.638,41.034)
  Layer 5 w0.08: v1(171.638,41.034) 171.638,41.081 171.798,41.241 171.798,41.802 170.803,42.797 170.803,47.103 173.382,49.682 174.389,49.682 180.014,55.307 182.014,55.307 190.314,63.607 192.592,63.607 192.693,63.607 192.879,63.792 192.879,67.499 193.185,67.805 193.728,67.805 194.035,67.499 194.035,62.373 194.22,62.187 194.591,62.187 194.777,62.373 194.777,67.499 195.083,67.805 195.626,67.805 195.933,67.499 195.933,62.373 196.118,62.187 196.489,62.187 196.675,62.373 196.675,67.499 196.981,67.805 197.524,67.805 197.831,67.499 197.831,62.373 198.016,62.187 198.387,62.187 198.573,62.373 198.573,67.499 198.879,67.805 199.422,67.805 199.729,67.499 199.729,62.373 199.914,62.187 200.285,62.187 200.471,62.373 200.471,63.3 200.777,63.607 201.286,63.607 203.127,63.607 203.442,63.292 203.442,62.851 203.794,62.5 J12.K6@204.039,62.5
SLOT5.LVDS_11_N: IC4.AD24 J11.B5 | length 111.7
  TopLayer w0.095: IC4.AD24@151.2,43.5 v1(151.7,43)
  Layer 3 w0.075: v1(151.7,43) 151.7,43.356 151.656,43.4 147.414,43.4 147.098,43.716 147.098,69.284 153.398,75.584 156.514,78.7 164.314,78.7 175.616,90.002 200.198,90.002 200.429,89.771 200.5,89.7 201.6,88.6 216.91,88.6 217.138,88.828 217.138,89.139 216.777,89.5 J11.B5@216.539,89.5
SLOT5.LVDS_11_P: IC4.AC24 J11.A5 | length 111.4
  TopLayer w0.095: IC4.AC24@151.2,44.5 v1(151.7,44)
  Layer 3 w0.075: v1(151.7,44) 151.7,43.646 151.656,43.602 147.498,43.602 147.3,43.8 147.3,69.2 153.6,75.5 156.598,78.498 164.398,78.498 175.7,89.8 200.114,89.8 201.516,88.398 216.993,88.398 217.34,88.744 217.34,89.139 217.701,89.5 J11.A5@217.939,89.5
SLOT5.LVDS_12_N: IC4.AG25 J11.E5 | length 108
  TopLayer w0.095: IC4.AG25@152.2,40.5 v1(152.7,40)
  Layer 5 w0.08: v1(152.7,40) 152.7,40.35 152.653,40.396 152.501,40.396 152.067,40.831 152.067,47.84 151.093,48.814 151.093,57.386 151.291,57.584 154.803,57.584 155.067,57.848 155.067,70.16 158.793,73.886 158.793,82.693 165.887,89.787 185.192,89.787 cw(c185.65,89.075) 186.108,89.787 187.38,89.787 cw(c187.875,89.1) 188.37,89.787 199.405,89.787 200.493,88.7 212.553,88.7 212.935,89.083 212.935,89.149 212.584,89.5 J11.E5@212.339,89.5
SLOT5.LVDS_12_P: IC4.AF25 J11.D5 | length 107.7
  TopLayer w0.095: IC4.AF25@152.2,41.5 v1(152.7,41)
  Layer 5 w0.08: v1(152.7,41) 152.7,40.65 152.653,40.603 152.587,40.603 152.274,40.916 152.274,47.926 151.3,48.9 151.3,57.3 151.377,57.377 154.888,57.377 155.274,57.762 155.274,70.074 159,73.8 159,82.607 165.973,89.58 185.257,89.58 cw(c185.65,89.075) 186.043,89.58 187.452,89.58 cw(c187.875,89.1) 188.298,89.58 199.32,89.58 200.407,88.493 212.638,88.493 213.142,88.997 213.142,89.149 213.493,89.5 J11.D5@213.739,89.5
SLOT5.LVDS_13_N: IC4.AF23 J11.H5 | length 107.5
  TopLayer w0.095: IC4.AF23@150.2,41.5 v1(150.7,41)
  Layer 3 w0.075: v1(150.7,41) 150.7,41.355 150.744,41.399 151.1,41.399 151.302,41.601 151.302,42.328 151.027,42.603 146.453,42.603 146.291,42.766 146.291,69.691 156.898,80.298 164.398,80.298 175.273,91.173 200.127,91.173 200.8,90.5 208.438,90.5 208.738,90.2 208.738,89.995 208.738,89.849 208.388,89.5 J11.H5@208.139,89.5
SLOT5.LVDS_13_P: IC4.AE23 J11.G5 | length 107.8
  TopLayer w0.095: IC4.AE23@150.2,42.5 v1(150.7,42)
  Layer 3 w0.075: v1(150.7,42) 150.7,41.645 150.744,41.601 151.016,41.601 151.1,41.685 151.1,42.244 150.943,42.401 146.369,42.401 146.089,42.682 146.089,69.774 156.814,80.5 164.314,80.5 175.189,91.375 200.211,91.375 200.884,90.702 208.521,90.702 208.94,90.284 208.94,89.911 208.94,89.849 209.289,89.5 J11.G5@209.539,89.5